# Altium PCB PCB.PcbDoc
Units mm, origin at the board's own origin, x right, y up, seen from the top; angles counter-clockwise.
Board outline 60.96 x 57 mm, 2 copper layers (Top Layer, Bottom Layer); 70 components, 43 nets, 240 pads, 45 vias.
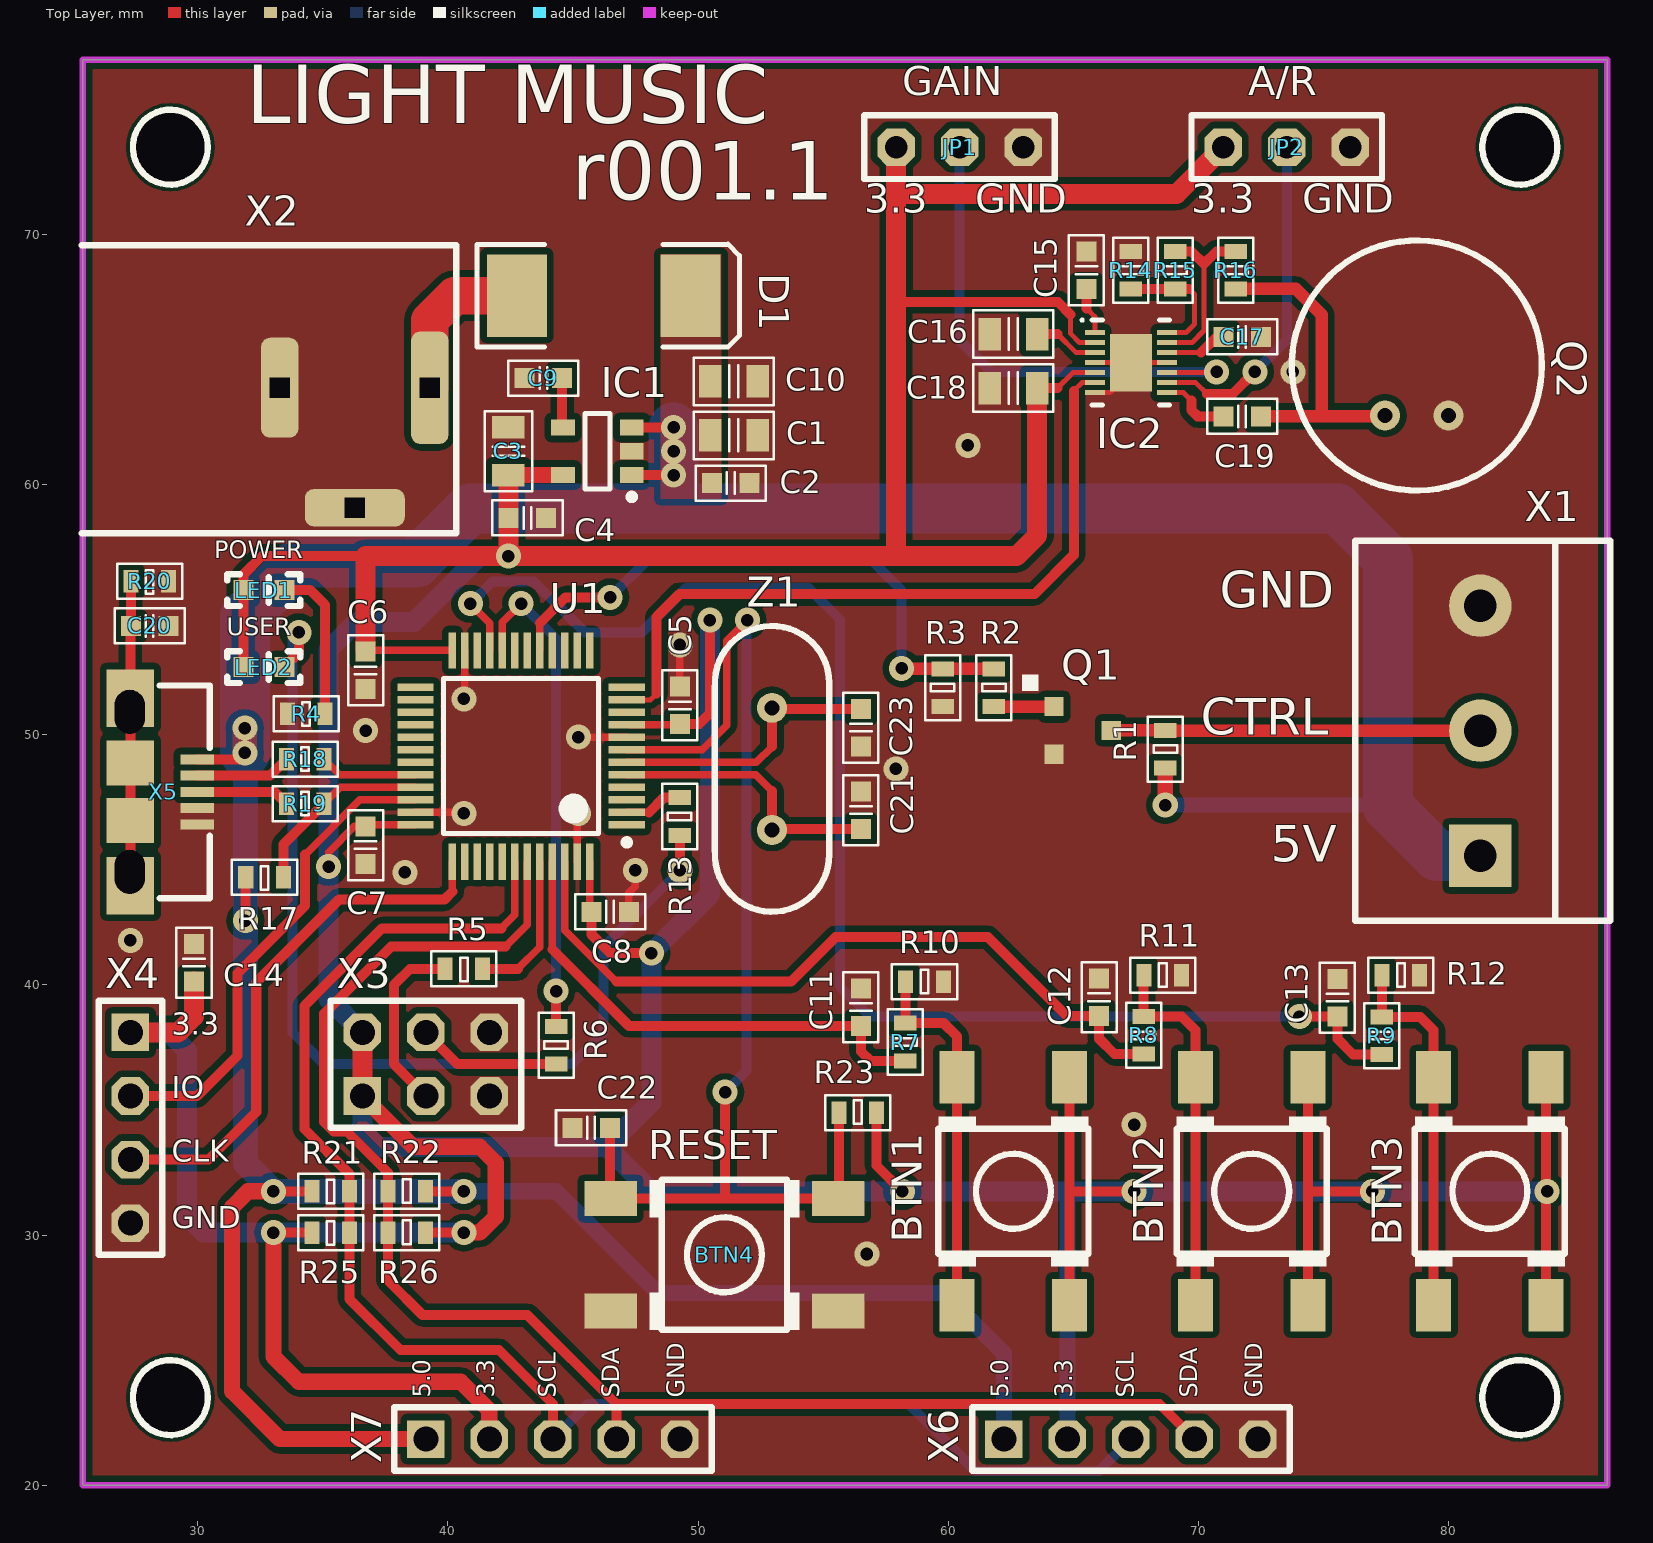
[diagram p0: Top Layer view]
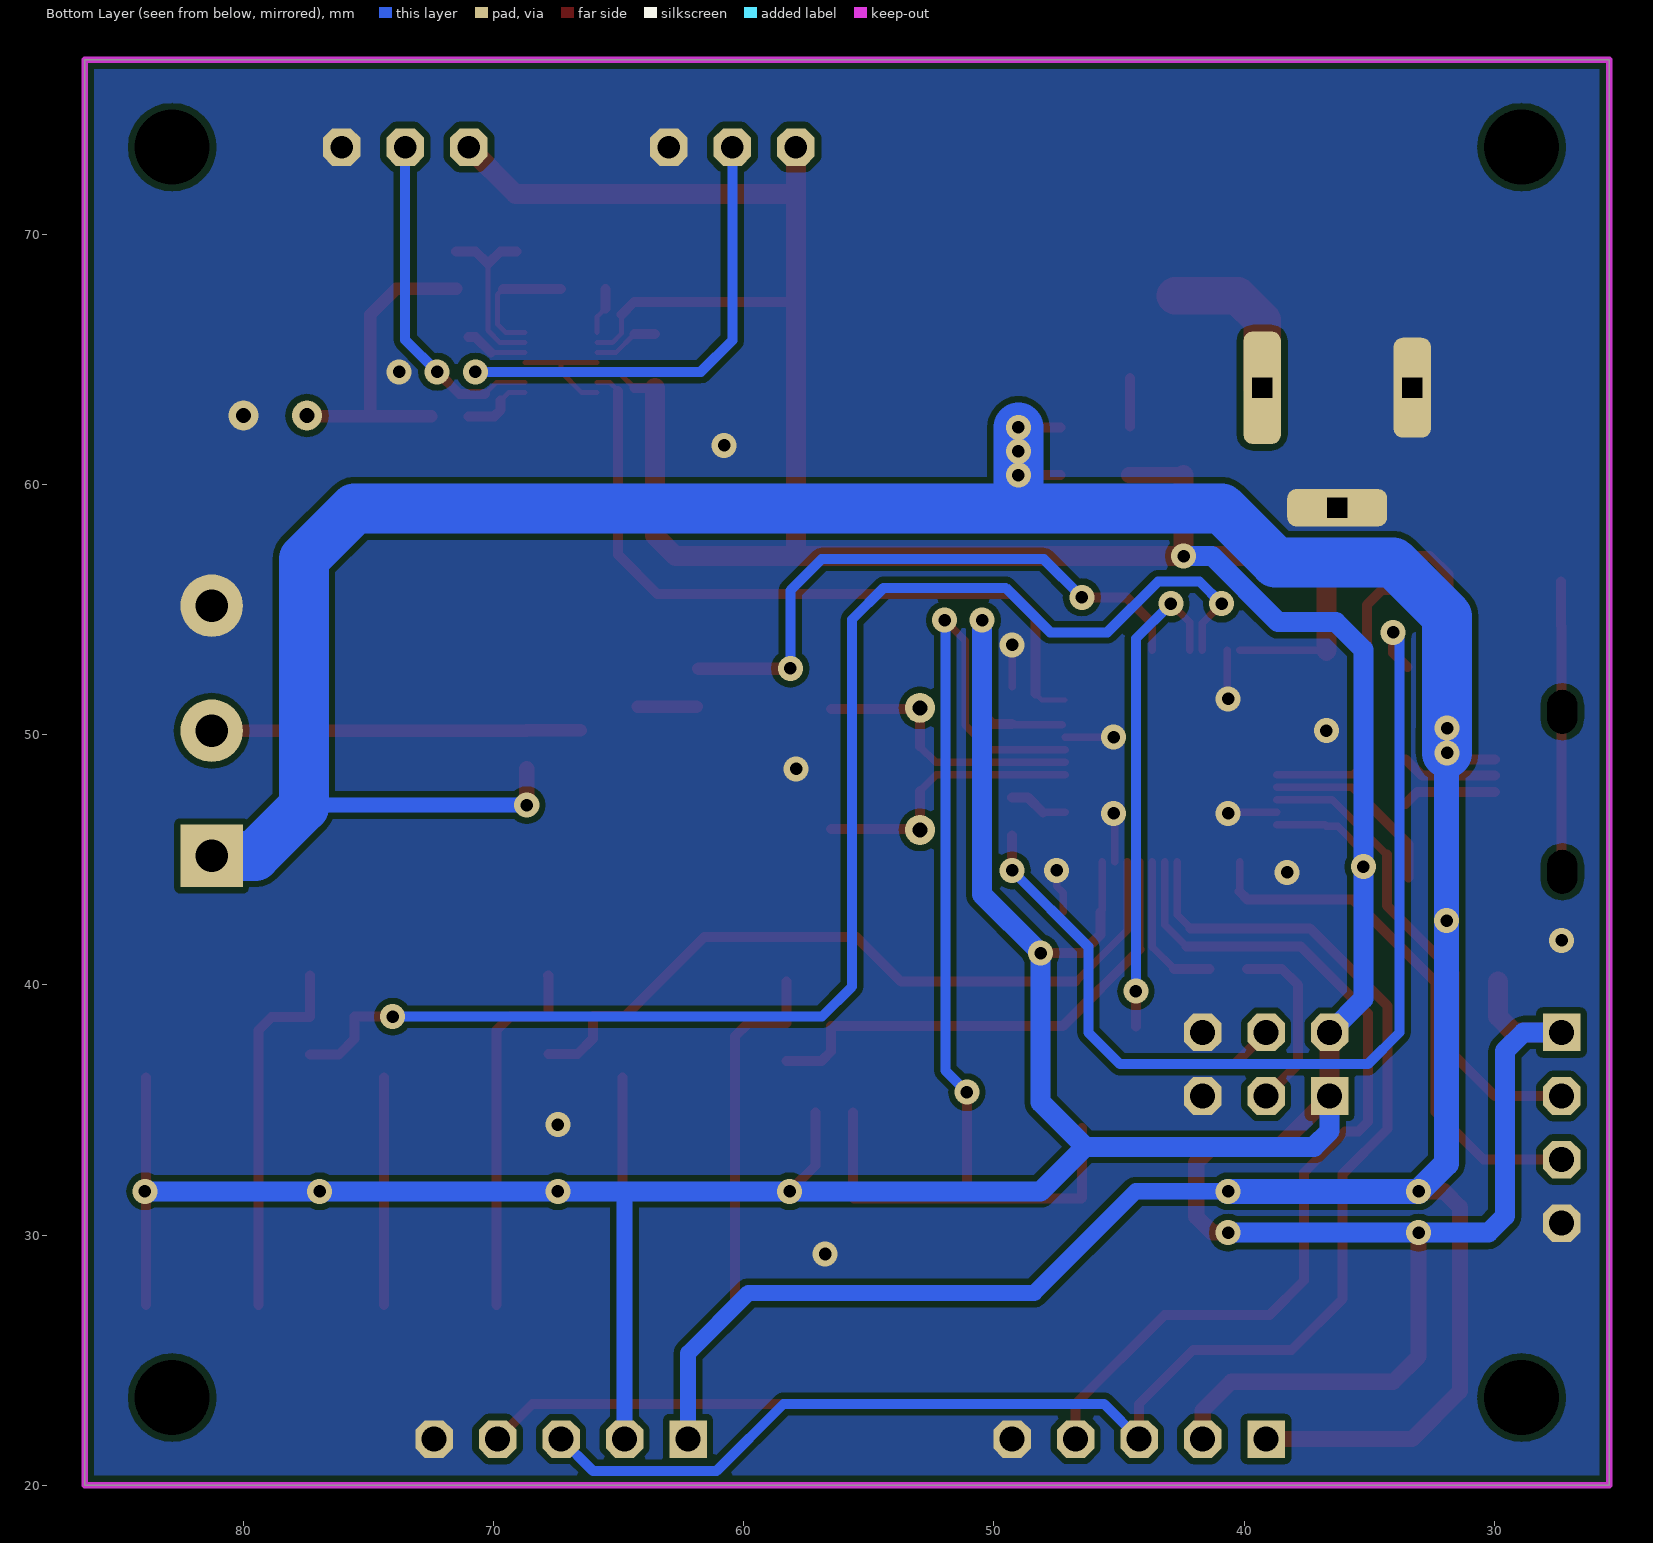
[diagram p1: Bottom Layer view, seen from below]

## Layer stack, top to bottom
Top Solder: solder mask 0.0102, Solder Resist, Dk 3.5
Top Layer: signal copper 0.0356
Dielectric 1: dielectric 0.32, FR-4, Dk 4.8
Bottom Layer: signal copper 0.0356
Bottom Solder: solder mask 0.0102, Solder Resist, Dk 3.5

## Board outline
25.4,20 86.36,20 86.36,77 25.4,77

## Design rules (kind name [scope] priority, off if disabled: settings)
Clearance [All] p1: gap=0.152 ignorepadtopadclearanceinfootprint=FALSE except(0.254: Arc-Poly Track-Poly SMDPad-Poly THPad-Poly Via-Poly Fill-Poly Poly-Poly)
HoleSize [All] p1: absolutevalues=TRUE maxlimit=3.5 minlimit=0.025 maxpercent=80.000 minpercent=20.000
MinimumSolderMaskSliver [All] p1: minsoldermaskwidth=0
PolygonConnect [All] p1: connectstyle=Direct reliefconductorwidth=0.254 reliefentries=4 polygonreliefangle="90 Angle" airgapwidth=0.254
RoutingVias [All] p1: holewidth=0.711 width=1.27 viastyle="Through Hole" minholewidth=0.5 minwidth=1 maxholewidth=0.711 maxwidth=1.27
SilkToSilkClearance [All] p1: silktosilkclearance=0.2
SilkToSolderMaskClearance [IsPad] p1: minsilkscreentomaskgap=0 clearancetoexposedcopper=TRUE
SolderMaskExpansion [All] p1: expansion=0.102
Width [All] p1: maxlimit=2 minlimit=0.2 preferedwidth=0.254
26 further rules are at their usual default settings.

## Components (designator, comment, footprint, x,y, rotation, side; value= is the part's Value field where it differs from the comment)
BTN1 "Push Button" "PUSH BUTTON" 62.611,31.75 r90 top
BTN2 "Push Button" "PUSH BUTTON" 72.136,31.75 r90 top
BTN3 "Push Button" "PUSH BUTTON" 81.661,31.75 r90 top
BTN4 "Push Button" "PUSH BUTTON" 51.054,29.21 r180 top
C1 "1u" C_0805 51.435,61.976 r180 top
C2 "0.1u" C_0603 51.308,60.071 r180 top
C3 "10u" C_0805 42.418,61.341 r270 top
C4 "0.1u" C_0603 43.18,58.674 r0 top
C5 "0.1u" C_0603 49.276,51.181 r90 top
C6 "0.1u" C_0603 36.703,52.578 r270 top
C7 "0.1u" C_0603 36.703,45.593 r270 top
C8 "0.1u" C_0603 46.482,42.926 r0 top
C9 "22n" C_0603 43.815,64.262 r180 top
C10 "1u" C_0805 51.435,64.135 r180 top
C11 "1u" C_0603 56.515,39.116 r270 top
C12 "1u" C_0603 66.04,39.509 r270 top
C13 "1u" C_0603 75.565,39.497 r270 top
C14 "0.1u" C_0603 29.845,40.894 r90 top
C15 "0.1u" C_0603 65.532,68.58 r90 top
C16 "1u" C_0805 62.611,66.027 r180 top
C17 "0.1u" C_0603 71.755,65.913 r180 top
C18 "2.2u" C_0805 62.611,63.868 r180 top
C19 "0.1u" C_0603 71.755,62.738 r180 top
C20 "{Value}" C_0603 28.067,54.356 r180 top
C21 "20p" C_0603 56.515,46.99 r270 top
C22 "1u" C_0603 45.72,34.29 r0 top
C23 "20p" C_0603 56.515,50.292 r90 top
D1 "Diode" SMC 46.228,67.564 r0 top
IC1 "RT9193" SOT23#1 45.974,61.341 r180 top
IC2 "MAX9814" TDFN-14 67.31,64.884 r0 top
JP1 "PLS-3" PLS-3 60.46,73.5 r0 top
JP2 "PLS-3" PLS-3 73.54,73.5 r0 top
LED1 "LED Red" "LED 0603 RED" 32.64,55.79 r180 top
LED2 "LED Blue" "LED 0603 BLUE" 32.64,52.71 r180 top
Q1 "IRLML2502" SOT23#2 64.237,51.13 r0 top
Q2 "CMA-4544PF-W" CMA-4544PF-W 78.74,64.77 r90 top
R1 "100k" R_0603 68.682,49.428 r90 top
R2 "100k" R_0603 61.824,51.892 r90 top
R3 "100k" R_0603 59.792,51.892 r270 top
R4 "510R" R_0603 34.33,50.85 r0 top
R5 "100k" R_0603 40.64,40.64 r0 top
R6 "100k" R_0603 44.323,37.592 r270 top
R7 "10k" R_0603 58.293,37.719 r270 top
R8 "10k" R_0603 67.818,37.985 r270 top
R9 "10k" R_0603 77.343,37.973 r270 top
R10 "10k" R_0603 59.055,40.132 r180 top
R11 "10k" R_0603 68.58,40.386 r180 top
R12 "10k" R_0603 78.105,40.386 r180 top
R13 "510R" R_0603 49.276,46.736 r270 top
R14 "100k" R_0603 67.31,68.58 r90 top
R15 "150k" R_0603 69.088,68.58 r270 top
R16 "2.2k" R_0603 71.501,68.58 r90 top
R17 "4.7k" R_0603 32.664,44.298 r0 top
R18 "20R" R_0603 34.29,49.022 r180 top
R19 "20R" R_0603 34.29,47.244 r180 top
R20 "20R" R_0603 28.067,56.134 r0 top
R21 "4,7k" R_0603 35.306,31.75 r0 top
R22 "4,7k" R_0603 38.354,31.75 r180 top
R23 "10k" R_0603 56.388,34.9 r180 top
R25 "4,7k" R_0603 35.306,30.099 r0 top
R26 "4,7k" R_0603 38.354,30.099 r180 top
U1 "STM32F103C8T6" STM-LQFP48_L 42.926,49.149 r180 top
X1 "DG-300-3" DG-300-5MM-3 81.28,50.165 r180 top
X2 "Jack Female" DC-140 36.274,59.081 r0 top
X3 "PLD-6" PLD-6 39.116,36.83 r90 top
X4 "PLS-4" PLS-4 27.305,34.29 r0 top
X5 "USB 2.0 Micro B" "USB 2.0 MICRO B" 29.972,47.722 r270 top
X6 "PLS-5" PLS-5 67.31,21.844 r90 top
X7 "PLS-5" PLS-5 44.196,21.844 r90 top
Z1 "8MHz" HC-49 52.959,48.641 r270 top

## Footprints (in the part's own frame and the unit in brackets; to place one, negate y for a bottom-side part, rotate by r counter-clockwise, add the part's x,y. Pads: shape width x height; smd on the part's side, far side on the other; paste and mask are expansions set on the pad)
C_0603 [mm] "Chip Capacitor; Body 1.6 x 0.8 mm (LxW typ)"
  rect 0.8x0.8 smd: 1(-0.75,0) 2(0.75,0)
  silkscreen extent -1.4,-0.7 1.4,0.7, body extent -0.8,-0.4 0.8,0.4, height 0.3
C_0805 [mm] "Capacitor Pattern"
  rect 0.9x1.3 smd: 1(-0.95,0) 2(0.95,0)
  silkscreen extent -1.6,-0.95 1.6,0.95, body extent -1,-0.63 1,0.62, height 0.6
CMA-4544PF-W [mm]
  round 1.2 hole 0.6: 1(-2,1.27) 2(-2,-1.27)
  silkscreen extent -5,-5 5,5
DC-140 [mm]
  rrect50% 1.5x4.5 hole 0.8 square: 1(3,4.8)
  rrect50% 1.5x4 hole 0.8 square: 2(-3,4.8)
  rrect50% 4x1.5 hole 0.8 square: 3(0,0)
  silkscreen extent -10.92,-1.02 4.06,10.5, body extent -10.85,-0.15 3.65,9.65, height 11
DG-300-5MM-3 [mm]
  rect 2.5x2.5 hole 1.3: 1(0,5)
  round 2.5 hole 1.3: 2(0,0) 3(0,-5)
  silkscreen extent -5.2,-7.6 5,7.6, body extent -5.2,-7.65 5,7.65, height 14.3
HC-49 [mm]
  round 1.2 hole 0.6: 1(-2.44,0) 2(2.44,0)
  silkscreen extent -5.71,-2.29 5.71,2.29, body extent -5.67,-2.32 5.68,2.33, height 3.6
"LED 0603 BLUE" [mm]
  rect 0.8x0.8 smd: A(0.825,0) C(-0.825,0)
  silkscreen extent -1.46,-0.64 1.46,0.64, body extent -0.8,-0.4 0.8,0.4, height 0.6
"LED 0603 RED" [mm]
  rect 0.8x0.8 smd: A(0.825,0) C(-0.825,0)
  silkscreen extent -1.46,-0.64 1.46,0.64, body extent -0.8,-0.4 0.8,0.4, height 0.6
PLD-6 [mm]
  rect 1.5x1.5 hole 1: 1(-1.27,2.54)
  oct 1.5x1.5 hole 1: 2(1.27,2.54) 3(-1.27,0) 4(1.27,0) 5(-1.27,-2.54) 6(1.27,-2.54)
  silkscreen extent -2.54,-3.81 2.54,3.81, body extent -2.5,-3.81 2.5,3.81, height 8.4
PLS-3 [mm] "PLS-3; STEP 2.54mm"
  oct 1.5x1.5 hole 0.9: 1(-2.54,0) 2(0,0) 3(2.54,0)
  silkscreen extent -3.81,-1.27 3.81,1.27, body extent -3.81,-1.27 3.81,1.27, height 8.44
PLS-4 [mm]
  rect 1.5x1.5 hole 1: 1(0,3.81)
  oct 1.5x1.5 hole 1: 2(0,1.27) 3(0,-1.27) 4(0,-3.81)
  silkscreen extent -1.27,-5.08 1.27,5.08, body extent -1.25,-5.08 1.24,5.08, height 8.54
PLS-5 [mm]
  rect 1.5x1.5 hole 1: 1(0,5.08)
  oct 1.5x1.5 hole 1: 2(0,2.54) 3(0,0) 4(0,-2.54) 5(0,-5.08)
  silkscreen extent -1.27,-6.35 1.27,6.35, body extent -1.25,-6.35 1.24,6.35, height 8.54
"PUSH BUTTON" [mm]
  rect 2.1x1.4 smd: 1(-4.55,2.25) 1(4.55,2.25) 2(-4.55,-2.25) 2(4.55,-2.25)
  silkscreen extent -3,-3 3,3, body extent -4.5,-3 4.5,3, height 5
R_0603 [mm]
  rect 0.6x0.9 smd: 1(-0.75,0) 2(0.75,0)
  silkscreen extent -1.3,-0.7 1.3,0.7, body extent -0.8,-0.41 0.8,0.41, height 0.45
SMC [mm] "DO-214-AB/SMC; 2 C-Bend Leads; Body 7.9 x 5.9 mm, inc. leads (LxW)"
  rect 2.4x3.3 smd: 1(-3.475,0) 2(3.475,0)
  silkscreen extent -5.07,-2.05 5.43,2.05
SOT23#1 [mm] "SOT23, 5-Leads, Body 2.90x2.80mm, Pitch 0.95mm, IPC Medium Density"
  rect 0.95x0.65 smd: 1(-1.375,0.95) 2(-1.375,0) 3(-1.375,-0.95) 4(1.375,-0.95) 5(1.375,0.95)
  silkscreen extent -1.5,-1.5 0.5,1.95, body extent -1.25,-1.5 1.25,1.5, height 1.15
SOT23#2 [mm]
  rect 0.762x0.762 smd: 1(0,0) 2(0,-1.905) 3(2.286,-0.953)
  silkscreen extent -1.27,0.64 -0.64,1.27, body extent -0.1,-2.46 2.4,0.54, height 1.05
STM-LQFP48_L [mm] "TSQFP, 48-Leads, Body 7.00x7.00mm, Pitch 0.50mm, IPC Medium Density"
  rect 1.45x0.3 smd: 1(-4.225,2.75) 2(-4.225,2.25) 3(-4.225,1.75) 4(-4.225,1.25) 5(-4.225,0.75) 6(-4.225,0.25) 7(-4.225,-0.25) 8(-4.225,-0.75) 9(-4.225,-1.25) 10(-4.225,-1.75) 11(-4.225,-2.25) 12(-4.225,-2.75) 25(4.225,-2.75) 26(4.225,-2.25) 27(4.225,-1.75) 28(4.225,-1.25) 29(4.225,-0.75) 30(4.225,-0.25) 31(4.225,0.25) 32(4.225,0.75) 33(4.225,1.25) 34(4.225,1.75) 35(4.225,2.25) 36(4.225,2.75)
  rect 0.3x1.45 smd: 13(-2.75,-4.225) 14(-2.25,-4.225) 15(-1.75,-4.225) 16(-1.25,-4.225) 17(-0.75,-4.225) 18(-0.25,-4.225) 19(0.25,-4.225) 20(0.75,-4.225) 21(1.25,-4.225) 22(1.75,-4.225) 23(2.25,-4.225) 24(2.75,-4.225) 37(2.75,4.225) 38(2.25,4.225) 39(1.75,4.225) 40(1.25,4.225) 41(0.75,4.225) 42(0.25,4.225) 43(-0.25,4.225) 44(-0.75,4.225) 45(-1.25,4.225) 46(-1.75,4.225) 47(-2.25,4.225) 48(-2.75,4.225)
  silkscreen extent -4.35,-3.1 3.1,3.57, body extent -4.5,-4.5 4.5,4.5, height 1.5
TDFN-14 [mm]
  rect 1.69x2.3 smd: 0(0,0)
  rect 0.8x0.2 smd: 1(-1.445,1.2) 2(-1.445,0.8) 3(-1.445,0.4) 4(-1.445,0) 5(-1.445,-0.4) 6(-1.445,-0.8) 7(-1.445,-1.2) 8(1.445,-1.2) 9(1.445,-0.8) 10(1.445,-0.4) 11(1.445,0) 12(1.445,0.4) 13(1.445,0.8) 14(1.445,1.2)
  silkscreen extent -2,-1.7 1.55,1.75, body extent -1.55,-1.55 1.55,1.55, height 0.8
"USB 2.0 MICRO B" [mm]
  rect 2.3x1.9 smd: 0(-3.75,-2.675) 0(3.75,-2.675)
  rect 0.5x0.5 hole 1.2 slot 1.75 at 0 deg: 0(-3.2,-2.7) 0(3.2,-2.7)
  rect 1.8x1.9 smd: 0(-1.15,-2.675) 0(1.15,-2.675)
  rect 0.4x1.35 smd: 1(-1.3,0) 2(-0.65,0) 3(0,0) 4(0.65,0) 5(1.3,0)
  silkscreen extent -4.25,-1.5 4.25,0.5, body extent -4,-5.45 4,0.15, height 2.82

## Part data
BTN1 BTN2 BTN3 BTN4: "Push button"
C1 C3 C10 C16 C18: library part C0805, "Capacitor"
C2 C4 C5 C6 C7 C8 C9 C11 C12 C13 C14 C15 C17 C19 C20 C21 C22 C23: library part C0603, "Capacitor"
D1: "Default Diode", Code_JEDEC=DO-214-AB, LatestRevisionDate=17-Jul-2002, LatestRevisionNote="Re-released for DXP Platform.", PackageDescription="DO-214-AB/SMC; 2 C-Bend Leads; Body 7.9 x 5.9 mm, inc. leads (LxW)", PackageReference=SMC, PackageVersion=Sep-1996, Published=8-Jun-2000, Publisher="Altium Limited"
IC1: "300mA, CMOS LDO Regulator"
IC2: "Microphone Amplifier with AGC and  Low-Noise Microphone Bias"
JP1 JP2: library part JP-3, "Jumper Pins", Type=PLS-3
Q1: library part N-ch_SOT23, "N-Channel Enhancement Mode MOSFET", ComponentLink1Description="Manufacturer Link", ComponentLink1URL=http://www.zetex.com/, ComponentLink2Description=Datasheet, ComponentLink2URL=www.zetex.com/3.0/pdf/ZXM61N02F.pdf, DatasheetVersion=May-99, PackageDescription="SOT-23; 3 Leads; Body 3.1 x 2.5 mm, inc. leads (LxW max), Alternate Lead Configuration", PackageReference=SOT23, PackageVersion=1996, Published=17-Dec-2003, Publisher="Altium Limited"
Q2: "Electret condenser microphone"
R1 R2 R3 R4 R5 R6 R7 R8 R9 R10 R11 R12 R13 R14 R15 R16 R17 R18 R19 R20 R21 R22 R23 R25 R26: library part R0603, "Resistor"
U1: "ARM Cortex-M3 32-bit MCU, 64 KB Flash, 20 KB Internal RAM, 37 I/Os, 48-pin LQFP, -40 to 85 degC, Tray", I/Os (High Current)=37, Operating Frequency(F) (Processor speed) (MHz)=72, Supplier Part Number 1=497-6063-ND, Supply Voltage(Vcc) min (V)=2, A/D Converter="2x12-bit (10 Channel)", ComponentLink1Description="Manufacturer URL", ComponentLink1URL=http://www.st.com/web/en/home.html, ComponentLink2Description=Datasheet, ComponentLink2URL=http://www.st.com/st-web-ui/static/active/en/resource/technical/document/datasheet/CD00161566.pdf, ComponentLink3Description="Package Specification", ComponentLink3URL=http://www.st.com/st-web-ui/static/active/en/resource/technical/document/datasheet/DM00058181.pdf, Core="ARM Cortex-M3", DatasheetVersion="Rev. 16", FLASH Size (Prog) (kB)=64, Internal RAM Size (kB)=20, Mounting Technology="Surface Mount", PackageDescription="48-Pin Low Profile Quad Flat Package, 7 x 7 mm Body, 0.5 mm Pitch", PackageReference=LQFP48, PackageVersion="Rev. 6, 06/2013", Packing=Tray, PartNumber=STM32F103C8T6, Supplier 1=Digi-Key, Supplier 2=Farnell, Supplier 3=Newark, Supplier 4=Newark, Supplier 5=Mouser, Supplier Part Number 2=1447637, Supplier Part Number 3=59M2182, Supplier Part Number 4=57P1222, Supplier Part Number 5=511-STM32F103C8T6
Z1: library part XTAL, "Quartz resonator"

## Free pads (board coordinates)
  round 1.524 hole 3 unplated: 0(28.9,23.5) 0(28.9,73.5) 0(82.86,23.5) 0(82.86,73.5)

## Via types
v1: diameter 1, hole 0.5, Top Layer to Bottom Layer, tented both sides, 45 vias

## Nets (pads, with @x,y where several pads share a name; then routed paths per layer and width w, separated by ;. In a path a pad name is that pad's centre, name@x,y a point inside that pad or via, vN(x,y) a via of type N, cw(c..) or ccw(c..) an arc to the next point about the centre after c; other vN are vias at no path point)
3.3V: BTN1.2 BTN2.2 BTN3.2 C3.2 C4.1 C5.1 C6.1 C7.1 C8.1 C14.1 C18.1 IC1.5 IC2.2 IC2.5 JP1.1 JP2.1 LED1.A LED2.A R23.1 R25.1 R26.1 U1.9 U1.24 U1.36 U1.48 X3.1 X3.2 X4.1 X6.2 X7.2 | length 313.3
  Top Layer w0.2: 57.912,67.31 57.92,67.31 ; 64.376,63.868 64.992,64.484 IC2.5 ; 64.897,66.802 64.897,66.04 65.253,65.684 IC2.2
  Top Layer w0.3: v1(35.23,44.729) 35.23,45.314 36.259,46.343 C7.1 36.759,46.399 U1.36 ; C6.1@36.703,53.276 36.605,53.276 36.703,53.374 U1.24 ; U1.48 45.676,42.982 C8.1 ; U1.9@47.278,50.399 C5.1@49.117,50.399 ; C5.1@49.149,50.431 C5.1@49.117,50.399 ; C5.1@49.244,50.399 C5.1@49.117,50.399
  Top Layer w0.4: LED2.A LED1.A 31.815,56.405 32.56,57.15 36.703,57.15 ; v1(33.02,30.099) R25.1 ; R26.1 v1(40.64,30.099) ; C8.1 45.732,42.025 46.482,41.275 v1(48.133,41.275) ; C5.1 50.05,50.431 50.47,50.851 v1(50.47,54.585) ; R23.1 57.138,32.778 v1(58.166,31.75) ; 57.92,67.31 64.389,67.31 64.897,66.802 ; C18.1 64.376,63.868 ; BTN1.2@64.861,27.2 64.861,31.75 ; BTN1.2@64.861,36.3 64.861,31.75 ; v1(67.437,31.75) 64.861,31.75 ; BTN2.2@74.386,27.2 74.386,31.75 ; BTN2.2@74.386,36.3 74.386,31.75 ; v1(76.962,31.75) 74.386,31.75 ; BTN3.2@83.911,27.2 v1@83.911,31.75 ; BTN3.2@83.911,36.3 v1@83.911,31.75 ; v1(83.947,31.75) v1@83.911,31.75
  Top Layer w0.65: v1(33.02,30.099) 33.02,25.146 34.036,24.13 40.513,24.13 41.656,22.987 X7.2 ; X3.1 38.608,33.528 41.275,33.528 41.91,32.893 41.91,30.734 41.275,30.099 v1(40.64,30.099) ; C6.1@36.703,53.276 C6.1 C6.1@36.703,53.374 ; v1(42.418,57.15) v1@42.43,57.162 ; C4.1@42.418,58.686 C4.1 ; C3.2 IC1.5
  Top Layer w0.8: X4.1 29.21,38.1 29.845,38.735 C14.1 ; X3.1 X3.2 ; C6.1@36.703,53.374 36.703,57.15 v1(42.418,57.15) 57.912,57.15 ; C4.1@42.418,58.686 C3.2 ; v1@42.43,57.162 C4.1 ; JP1.1 57.92,71.628 ; C18.1 63.561,57.973 62.738,57.15 57.912,57.15 ; JP2.1 69.128,71.628 57.92,71.628 ; 57.912,57.15 57.92,57.158 57.92,67.31 57.92,71.628
  Bottom Layer w0.65: X6.2 64.77,31.75
  Bottom Layer w0.8: X4.1 28.829,38.1 29.566,37.363 29.566,30.759 30.226,30.099 v1(33.02,30.099) v1(40.64,30.099) ; X3.1 36.576,34.163 37.211,33.528 46.355,33.528 ; X3.2 35.23,39.446 v1(35.23,44.729) 35.23,53.416 36.322,54.508 38.633,54.508 41.275,57.15 v1(42.418,57.15) ; v1(50.47,54.585) 50.47,43.612 v1(48.133,41.275) 48.133,35.306 46.355,33.528 ; v1(83.947,31.75) v1(76.962,31.75) v1(67.437,31.75) 64.77,31.75 v1(58.166,31.75) 48.133,31.75 46.355,33.528
5V: C1.2 C2.2 C10.2 D1.2 IC1.1 IC1.3 R1.1 R17.1 R21.1 R22.1 X1.1 X5.1 X6.1 X7.1 | length 163.1
  Top Layer w0.4: X5.1 31.623,49.022 v1(31.877,49.276) ; v1(31.902,42.57) R17.1@31.902,44.298 ; v1(33.02,31.75) R21.1 ; R22.1 v1(40.64,31.75) ; IC1.1 v1(49.022,60.391) ; IC1.3 v1(49.022,62.291)
  Top Layer w0.6: v1(68.682,47.193) R1.1@68.682,48.653
  Top Layer w0.65: v1(33.02,31.75) 32.004,31.75 31.369,31.115 31.369,23.749 33.274,21.844 X7.1
  Bottom Layer w0.3: v1(31.877,49.276) v1@31.902,49.251
  Bottom Layer w0.6: v1(68.682,47.193) 77.521,47.193 77.597,47.117
  Bottom Layer w0.65: v1(40.64,31.75) 44.323,31.75 48.387,27.686 59.817,27.686 62.23,25.273 X6.1
  Bottom Layer w1: v1@31.902,49.251 v1(31.902,42.57) 31.902,32.868 v1(33.02,31.75) v1(40.64,31.75)
  Bottom Layer w2: v1(31.877,49.276) 31.88,49.279 v1(31.88,50.27) 31.878,50.272 31.878,54.738 34.036,56.896 38.735,56.896 40.894,59.055 49.022,59.055 ; v1(49.022,62.291) v1(49.022,61.341) v1(49.022,60.391) 49.022,59.055 ; X1.1 79.549,45.165 77.597,47.117 77.597,57.023 75.565,59.055 49.022,59.055
A/R: IC2.9 JP2.2 | length 13.6
  Top Layer w0.2: IC2.9 69.901,64.084 70.358,63.627
  Top Layer w0.4: 70.358,63.627 71.374,63.627 v1(72.263,64.516)
  Bottom Layer w0.4: v1(72.263,64.516) 73.54,65.793 JP2.2
BOOT0: R5.2 U1.44 | length 6.1
  Top Layer w0.3: 42.799,40.64 43.676,41.517 U1.44
  Top Layer w0.4: R5.2 42.799,40.64
BOOT1: R6.1 U1.20 | length 19.7
  Top Layer w0.3: U1.20 42.176,54.495 v1(42.926,55.245)
  Top Layer w0.4: R6.1 v1(44.323,39.751)
  Bottom Layer w0.4: v1(42.926,55.245) 44.323,53.848 v1(44.323,39.751)
BUTTON1: C11.2 R7.2 U1.45 | length 20.1
  Top Layer w0.3: 44.176,41.422 U1.45
  Top Layer w0.4: 44.176,41.422 47.232,38.366 C11.2 56.515,37.338 56.884,36.969 R7.2
BUTTON2: C12.2 R8.2 U1.46 | length 29.9
  Top Layer w0.3: U1.46 44.676,42.192 46.736,40.132
  Top Layer w0.4: 46.736,40.132 53.721,40.132 55.499,41.91 61.595,41.91 64.746,38.759 C12.2 66.04,37.846 66.651,37.235 R8.2
BUTTON3: C13.2 R9.2 U1.21 | length 57.5
  Top Layer w0.3: v1(40.894,55.245) 41.676,54.463 U1.21
  Top Layer w0.4: v1(74.041,38.735) 74.053,38.747 C13.2 75.565,37.846 76.188,37.223 R9.2
  Bottom Layer w0.4: v1(40.894,55.245) 41.783,56.134 43.434,56.134 45.466,54.102 47.752,54.102 49.53,55.88 54.407,55.88 55.677,54.61 55.677,39.929 56.871,38.735 v1(74.041,38.735)
GAIN: IC2.10 JP1.2 | length 20.5
  Top Layer w0.2: IC2.10 70.707,64.484 v1(70.739,64.516)
  Bottom Layer w0.4: JP1.2 60.46,65.778 61.722,64.516 v1(70.739,64.516)
GND: BTN4.1 C1.1 C2.1 C3.1 C4.2 C5.2 C6.2 C7.2 C8.2 C9.2 C10.1 C11.1 C12.1 C13.1 C14.2 C15.2 C16.2 C17.1 C18.2 C20.1 C21.1 C22.1 C23.1 IC1.2 IC2.0 IC2.4 IC2.7 IC2.11 JP1.3 JP2.3 Q1.2 Q2.2 R3.2 R4.1 R10.1 R11.1 R12.1 R14.2 R20.2 U1.8 U1.23 U1.35 U1.47 X1.3 X2.2 X2.3 X3.5 X3.6 X4.4 X5.4 X5.5 X6.5 X7.5 | length 16.3
  Top Layer w0.2: IC2.7 66.478,63.684 67.31,64.516 IC2.0 ; IC2.4 IC2.0 ; IC2.11 IC2.0
  Top Layer w0.3: U1.35 40.604,46.899 v1(40.64,46.863) ; v1(40.64,51.435) 40.676,51.471 U1.23 ; U1.47 45.176,46.827 v1(45.212,46.863) ; v1@45.212,49.899 U1.8 ; C8.2 47.232,43.688 47.498,43.954 v1(47.498,44.577) ; C5.2 v1(49.276,53.594)
  other v1: 56.75,29.242 67.437,34.417 27.305,41.783 38.278,44.501 57.912,48.641 45.212,49.911 36.703,50.165 60.789,61.576 73.787,64.516
I2C1_SCL: R21.2 R25.2 U1.42 X6.3 X7.3 | length 61.1
  Top Layer w0.3: 42.139,42.266 42.676,42.803 U1.42
  Top Layer w0.4: 42.139,42.266 37.363,42.266 34.265,39.167 34.265,34.239 36.056,32.448 R21.2 R25.2 36.056,27.444 38.1,25.4 42.037,25.4 44.196,23.241 X7.3
  Bottom Layer w0.4: X7.3 45.593,23.241 58.42,23.241 61.087,20.574 66.04,20.574 X6.3
I2C1_SDA: R22.2 R26.2 U1.43 X6.4 X7.4 | length 60.4
  Top Layer w0.3: 42.291,41.529 43.176,42.414 U1.43
  Top Layer w0.4: 42.291,41.529 37.719,41.529 35.052,38.862 35.052,34.519 35.433,34.138 35.966,34.138 37.604,32.5 R22.2 R26.2 37.604,28.182 38.989,26.797 43.18,26.797 46.736,23.241 ; X7.4 46.736,23.241 ; X6.4 68.453,23.241 46.736,23.241
LED_CTRL: R2.2 R3.1 U1.17 | length 23.9
  Top Layer w0.3: U1.17 43.676,54.471
  Top Layer w0.4: 43.676,54.471 44.704,55.499 v1(46.482,55.499)
  Top Layer w0.5: v1(58.141,52.654) 58.153,52.642 R3.1 R2.2
  Bottom Layer w0.4: v1(46.482,55.499) 48.006,57.023 56.896,57.023 58.141,55.778 v1(58.141,52.654)
LED_STRIP_IN: Q1.3 R1.2 X1.2 | length 14.8
  Top Layer w0.5: Q1.3 R1.2 R1.2@68.695,50.165 ; R1.2@68.682,50.165 R1.2@68.695,50.165 ; X1.2 R1.2@68.695,50.165
MICOUT: IC2.6 U1.11 | length 29.6
  Top Layer w0.2: U1.11 48.097,51.399 48.347,51.649 ; 65.024,63.754 65.354,64.084 IC2.6
  Top Layer w0.4: 48.347,51.649 48.347,54.722 49.251,55.626 63.449,55.626 65.024,57.201 65.024,63.754
NetBTN1_1: BTN1.1 R7.1 R10.2 | length 14.7
  Top Layer w0.4: R10.2 58.305,38.481 R7.1 59.829,38.469 60.361,37.937 60.361,36.3 BTN1.1@60.361,27.2
NetBTN2_1: BTN2.1 R8.1 R11.2 | length 14.9
  Top Layer w0.4: R11.2 67.818,40.374 R8.1 69.342,38.735 69.886,38.191 69.886,36.3 BTN2.1@69.886,27.2
NetBTN3_1: BTN3.1 R9.1 R12.2 | length 14.9
  Top Layer w0.4: R12.2 77.343,40.374 R9.1 78.879,38.723 79.411,38.191 79.411,36.3 BTN3.1@79.411,27.2
NetC9_1: C9.1 IC1.4 | length 2
  Top Layer w0.3: IC1.4@44.565,62.325 IC1.4
  Top Layer w0.4: IC1.4@44.565,62.325 C9.1
NetC15_1: C15.1 IC2.1 | length 1.9
  Top Layer w0.2: 65.532,67.056 65.865,66.723 IC2.1
  Top Layer w0.4: 65.532,67.056 C15.1
NetC16_1: C16.1 IC2.3 | length 2.6
  Top Layer w0.2: 64.377,66.027 65.12,65.284 IC2.3
  Top Layer w0.4: C16.1 64.377,66.027
NetC17_2: C17.2 IC2.12 | length 2.5
  Top Layer w0.2: IC2.12 70.11,65.284
  Top Layer w0.4: 70.11,65.284 70.739,65.913 C17.2
NetC19_1: C19.1 Q2.1 R16.1 | length 12.9
  Top Layer w0.5: R16.1 73.902,67.83 74.93,66.802 74.93,62.738 ; C19.1 74.93,62.738 ; Q2.1 77.438,62.738 74.93,62.738
NetC19_2: C19.2 IC2.8 | length 2.9
  Top Layer w0.2: IC2.8 69.412,63.684 69.723,63.373
  Top Layer w0.4: 69.723,63.373 69.723,62.992 69.977,62.738 C19.2
NetC20_2: C20.2 R20.1 X5.0 | length 12.2
  Top Layer w0.4: X5.0@27.297,43.972 27.297,46.572 27.297,48.872 27.297,51.472 27.297,54.336 C20.2 R20.1
NetD1_1: D1.1 X2.1 | length 6.6
  Top Layer w1.5: X2.1 39.274,66.579 40.259,67.564 D1.1
NetIC2_13: IC2.13 R15.1 R16.2 | length 7.2
  Top Layer w0.2: IC2.13 69.748,65.684 70.231,66.167 70.231,68.834
  Top Layer w0.4: R15.1 69.735,69.33 70.231,68.834 70.727,69.33 R16.2
NetIC2_14: IC2.14 R14.1 R15.2 | length 5.1
  Top Layer w0.2: IC2.14 69.513,66.084 69.85,66.421 69.85,67.615 69.635,67.83
  Top Layer w0.4: R14.1 R15.2 69.635,67.83
NetLED1_C: LED1.C R4.2 | length 6.2
  Top Layer w0.4: LED1.C 34.49,55.79 35.08,55.2 R4.2
NetLED2_C: LED2.C R13.2 | length 40.4
  Top Layer w0.4: LED2.C 34.036,53.281 v1(34.036,54.102) ; v1(49.276,44.577) R13.2
  Bottom Layer w0.4: v1(34.036,54.102) 33.782,53.848 33.782,38.1 35.052,36.83 44.958,36.83 46.228,38.1 46.228,41.529 v1(49.276,44.577)
NetQ1_1: Q1.1 R2.1 | length 2.4
  Top Layer w0.3: R2.1@61.824,51.066 R2.1@61.836,51.054
  Top Layer w0.5: R2.1@61.888,51.13 Q1.1
NetR5_1: R5.1 X3.3 | length 7.3
  Top Layer w0.4: X3.3 37.846,36.83 37.846,40.005 38.481,40.64 R5.1
NetR6_2: R6.2 X3.4 | length 5.7
  Top Layer w0.4: X3.4 40.386,36.83 R6.2@44.323,36.83
NetR17_2: R17.2 R19.1 U1.33 | length 7.6
  Top Layer w0.3: R19.1 35.695,47.899 U1.33
  Top Layer w0.4: R17.2 33.414,45.618 R19.1
NetR18_1: R18.1 U1.32 | length 3.9
  Top Layer w0.3: R18.1 35.663,48.399 U1.32
NetR18_2: R18.2 X5.2 | length 3.8
  Top Layer w0.4: X5.2 32.89,48.372 R18.2
NetR19_2: R19.2 X5.3 | length 3.8
  Top Layer w0.4: X5.3 33.062,47.722 R19.2
OSCIN: C21.2 U1.5 Z1.2 | length 11.2
  Top Layer w0.3: U1.5 52.312,48.399 52.959,47.752 ; Z1.2 Z1.2@52.998,46.24
  Top Layer w0.4: Z1.2 52.959,47.752 ; Z1.2@52.998,46.24 C21.2
OSCOUT: C23.2 U1.6 Z1.1 | length 11.2
  Top Layer w0.3: U1.6 52.328,48.899 52.959,49.53 ; Z1.1 Z1.1@52.998,51.042
  Top Layer w0.4: 52.959,49.53 Z1.1 ; Z1.1@52.998,51.042 C23.2
PC13: R13.1 U1.2 | length 2.4
  Top Layer w0.3: U1.2 48.042,46.899
  Top Layer w0.4: 48.042,46.899 48.629,47.486 R13.1
RESET: BTN4.2 C22.2 R23.2 U1.7 | length 48.1
  Top Layer w0.3: U1.7 50.161,49.399 51.156,50.394 51.156,53.772 v1(51.968,54.585)
  Top Layer w0.4: C22.2 46.47,31.494 46.504,31.46 51.105,31.46 ; v1(51.079,35.712) 51.079,31.485 51.105,31.46 ; R23.2 55.638,31.494 55.604,31.46 51.105,31.46
  Bottom Layer w0.4: v1(51.079,35.712) 51.943,36.576 51.943,54.381 51.74,54.585 v1(51.968,54.585)
SWDCLK: U1.37 X4.3 | length 21.5
  Top Layer w0.3: 40.176,43.732 U1.37
  Top Layer w0.4: X4.3 30.429,33.02 32.334,34.925 32.334,40.107 35.636,43.409 39.853,43.409 40.176,43.732
SWDIO: U1.34 X4.2 | length 19.4
  Top Layer w0.3: 34.29,45.212 36.477,47.399 U1.34
  Top Layer w0.4: X4.2 29.972,35.56 31.592,37.18 31.592,40.482 34.29,43.18 34.29,45.212
pads on no net: U1.1 U1.3 U1.4 U1.10 U1.12 U1.13 U1.14 U1.15 U1.16 U1.18 U1.19 U1.22 U1.25 U1.26 U1.27 U1.28 U1.29 U1.30 U1.31 U1.38 U1.39 U1.40 U1.41

## Polygon pours and split planes (outlines as drawn)
5V on Top Layer "Top Layer-5V" (solid, pour order 2): 31.394,50.419 32.36,50.419 32.36,49.276 31.394,49.276
5V on Top Layer "Top Layer-5V" (solid, pour order 0): 48.514,69.215 50.927,69.215 50.927,59.436 48.514,59.436
GND on Top Layer "Top Layer-GND" (solid, remove dead copper, pour order 6): 25.4,77 86.36,77 86.36,20 25.4,20
GND on Bottom Layer "Bottom Layer-GND" (solid, remove dead copper, pour order 4): 25.4,77 86.36,77 86.36,20 25.4,20

## Keep-outs
Keep-Out Layer:
  the board outline again, w0.254

## Silkscreen, mask and mechanical layers (free items; w line width, h text height)
Top Overlay:
  circle w0.254: c28.9,73.5 r1.5
  circle w0.254: c82.86,73.5 r1.5
  circle w0.254: c82.86,23.5 r1.5
  circle w0.254: c28.9,23.5 r1.5
  text "GAIN" at 58.166,75.184 h2
  text "A/R" at 72.009,75.184 h2
  text "LIGHT MUSIC" at 31.93,73.67 h4
  text "r001.1" at 44.958,70.612 h4
  text "3.3" at 56.642,70.485 h2
  text "GND" at 61.087,70.485 h2
  text "3.3" at 69.722,70.485 h2
  text "GND" at 74.167,70.485 h2
  text "POWER" at 30.66,56.82 h1.2
  text "GND" at 70.866,54.61 h2.5
  text "USER" at 31.15,53.75 h1.2
  text "CTRL" at 70.104,49.53 h2.5
  text "5V" at 72.898,44.45 h2.5
  text "3.3" at 28.956,37.719 h1.5
  text "IO" at 28.956,35.179 h1.5
  text "CLK" at 28.956,32.639 h1.5
  text "RESET" at 48.006,32.639 h2
  text "GND" at 28.956,29.972 h1.5
  text "5.0" at 39.522,23.495 h1.2 r90
  text "3.3" at 42.088,23.495 h1.2 r90
  text "SCL" at 44.552,23.495 h1.2 r90
  text "SDA" at 47.092,23.495 h1.2 r90
  text "GND" at 49.682,23.495 h1.2 r90
  text "5.0" at 62.636,23.495 h1.2 r90
  text "3.3" at 65.202,23.495 h1.2 r90
  text "SCL" at 67.666,23.495 h1.2 r90
  text "SDA" at 70.206,23.495 h1.2 r90
  text "GND" at 72.796,23.495 h1.2 r90

## Dimensions
25.4,77 to 25.4,20 on Mechanical 13
25.4,20 to 86.36,20 on Mechanical 13
82.86,73.5 to 86.36,77 on Mechanical 13
82.86,73.5 to 86.36,77 on Mechanical 13
30.4,73.5 to 0,0 on Mechanical 13